# Altium PCB Sensor Board.PcbDoc
Units mil, origin at the board's own origin, x right, y up, seen from the top; angles counter-clockwise.
Board outline 4300 x 2700 mil, 2 copper layers (Top Layer, Bottom Layer), stack 12.8 mil thick; 17 components, 17 nets, 74 pads, 7 vias.
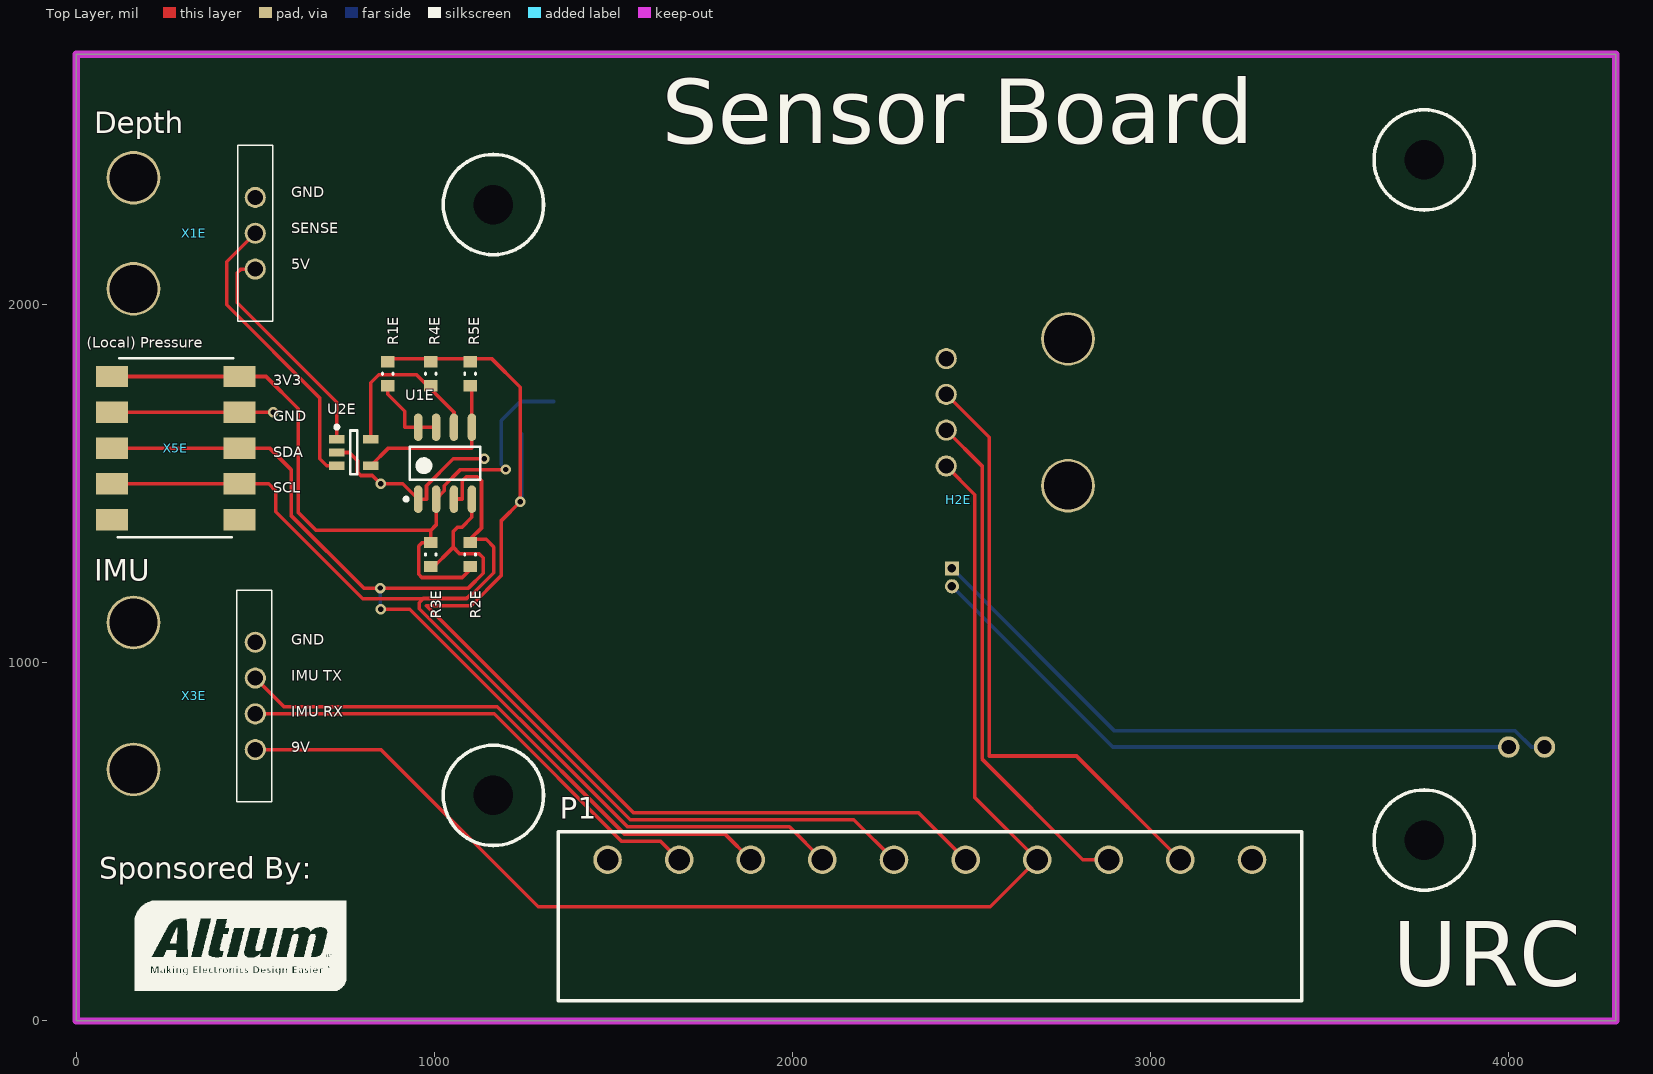
[diagram p0: Top Layer view]
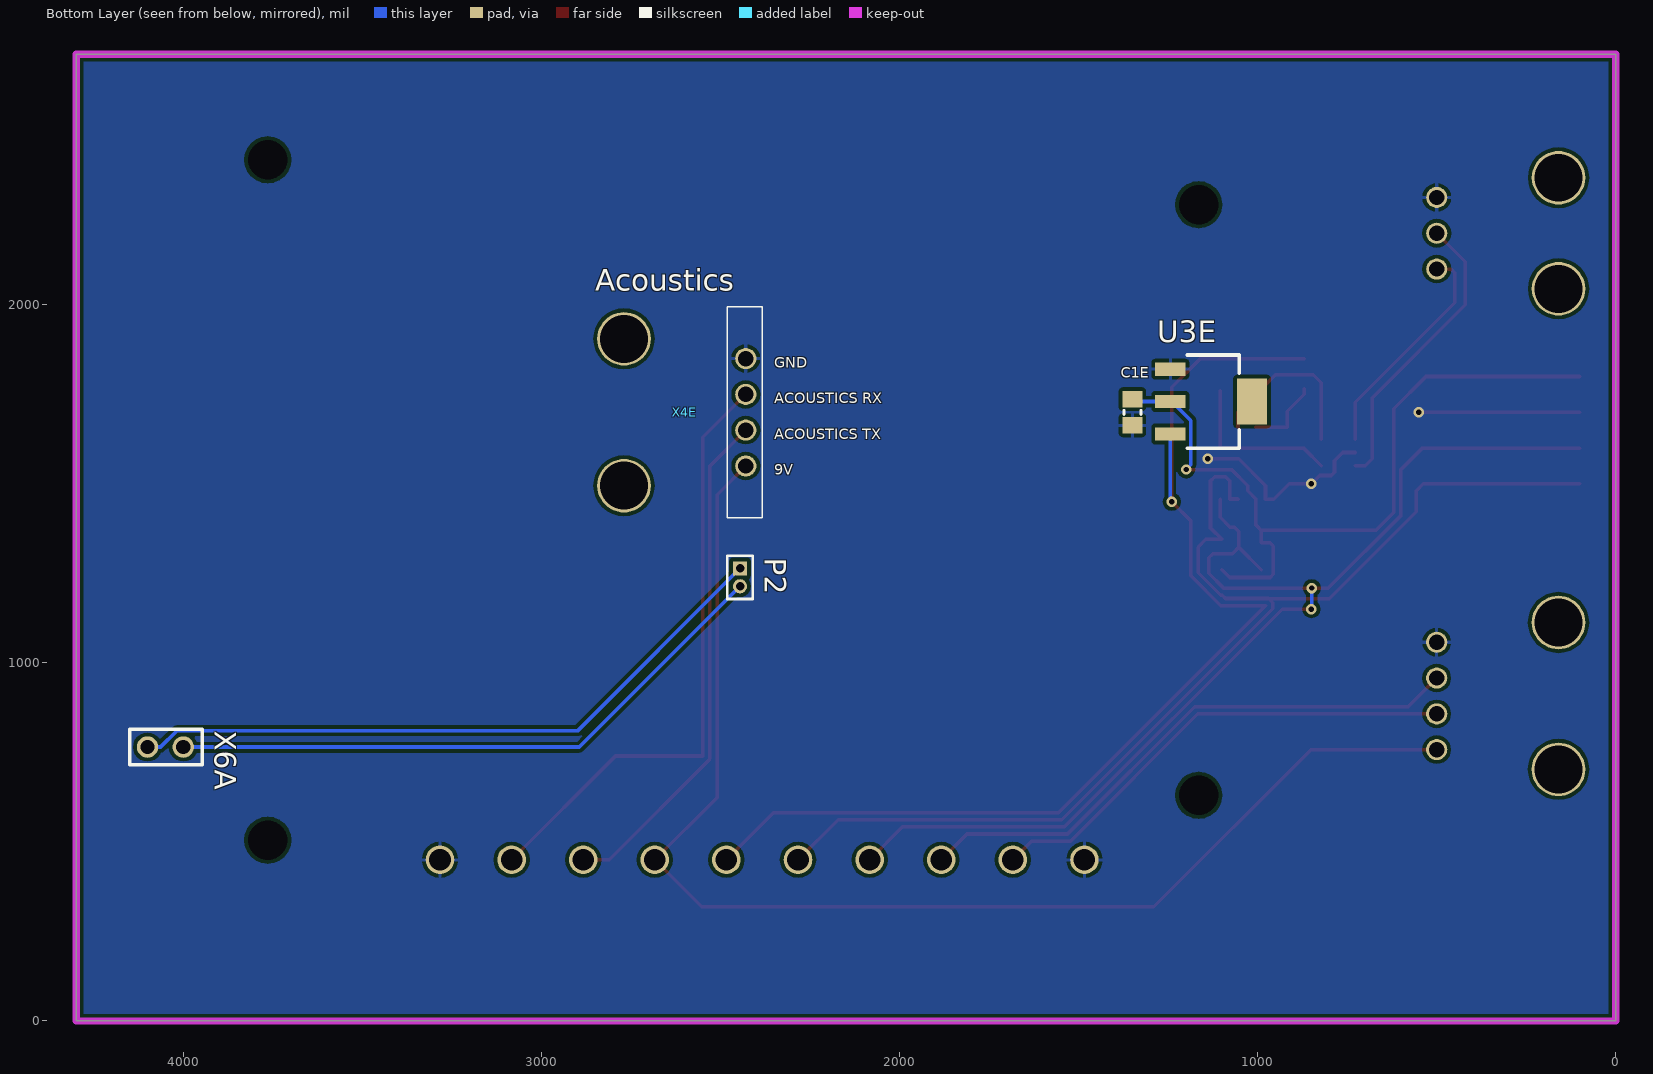
[diagram p1: Bottom Layer view, seen from below]
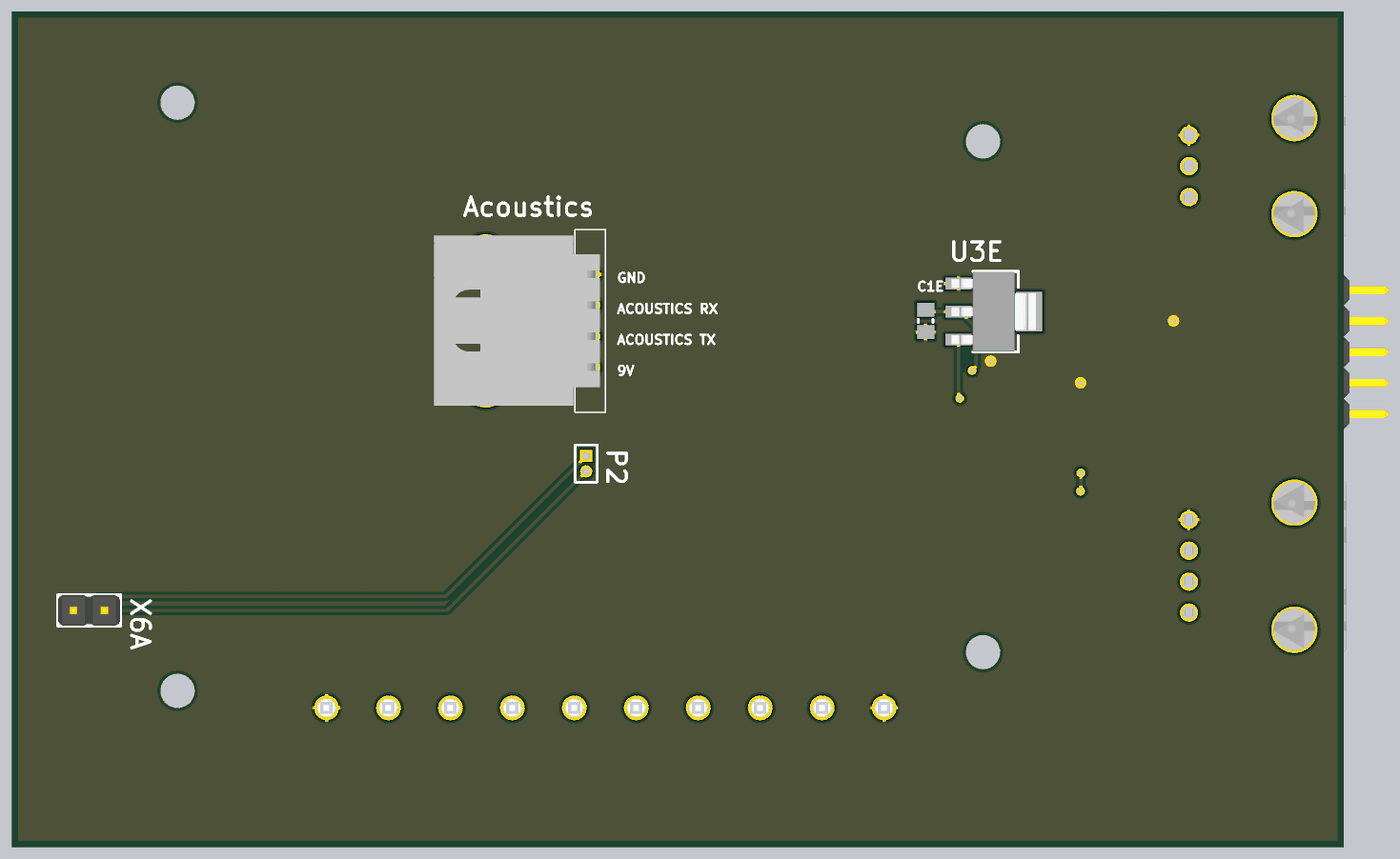
[diagram p2: 3D render of the assembled board from below, using the file's embedded part models]

## Layer stack, top to bottom
Top Solder: solder mask 0.4, Solder Resist, Dk 3.5
Top Layer: signal copper 1.4
Dielectric 1: core 10, FR-4, Dk 4.2
Bottom Layer: signal copper 1.4
Bottom Solder: solder mask 0.4, Solder Resist, Dk 3.5

## Board outline
4300,0 0,0 0,2600 0,2700 4300,2700

## Design rules (kind name [scope] priority, off if disabled: settings)
Clearance "Small pitch Harwin Connector" [InComponent('X2E')] p1: gap=10 ignorepadtopadclearanceinfootprint=FALSE except(0: Arc-Hole Track-Hole SMDPad-Hole THPad-Hole Via-Hole Fill-Hole Poly-Hole Region-Hole Text-Hole; 7: THPad-THPad)
Clearance [All] p2: gap=10 ignorepadtopadclearanceinfootprint=FALSE except(0: Arc-Hole Track-Hole SMDPad-Hole THPad-Hole Via-Hole Fill-Hole Poly-Hole Region-Hole Text-Hole; 7: SMDPad-SMDPad)
ComponentClearance "Ignore Beaglebone Holes" [InComponent('H2E') Or InComponent('H1E')] p1: gap=-1000 collisioncheckmode=3 verticalgap=-5000 showdistances=FALSE
ComponentClearance [All] p2: gap=10 collisioncheckmode=3 verticalgap=10 showdistances=FALSE
HoleSize [All] p1: absolutevalues=TRUE maxlimit=140 minlimit=15 maxpercent=80.000 minpercent=20.000
MinimumSolderMaskSliver [All] p1: minsoldermaskwidth=0
PolygonConnect "Direct Connect Gnd Vias" [(InNet('GND') AND IsVia)] p1: connectstyle=Direct reliefconductorwidth=10 reliefentries=4 polygonreliefangle="90 Angle" airgapwidth=10
PolygonConnect [All] p2: connectstyle=Relief reliefconductorwidth=10 reliefentries=4 polygonreliefangle="90 Angle" airgapwidth=10
RoomDefinition "Sensor Overview" [InComponentClass('Sensor Overview')] p1: confinementstyle=ConfineIn formatcopy=TRUE lockcomponents=FALSE outline 3840,2757.68 -250,2757.68 -250,-127.32 3840,-127.32
RoutingVias [All] p1: holewidth=28 width=50 viastyle="Through Hole" minholewidth=28 minwidth=50 maxholewidth=28 maxwidth=50
SilkToSolderMaskClearance [IsPad] p1: minsilkscreentomaskgap=0 clearancetoexposedcopper=FALSE
SolderMaskExpansion "Tent Vias" [IsVia] p1: expansion=-30
SolderMaskExpansion [All] p2: expansion=4
Width [All] p1: maxlimit=10 minlimit=10 preferedwidth=10
26 further rules are at their usual default settings.

## Components (designator, comment, footprint, x,y, rotation, side; value= is the part's Value field where it differs from the comment)
C1E ".1uF" C0805 1350,1700 r270 bottom value=10uF
H2E "BBB Hole Pattern" "BBB Hole Pattern" 4340,2530 r180 top
P1 "MSTBA 2,5/10-G-5,08" "MSTBA 2,5/10-G-5,08" 1484,450 r0 top
P2 "MHDR1X2" MHDR1X2 2446,1264 r270 bottom (schematic designator P?)
R1E "Resistor" R0603 870,1807.68 r90 top value=200K
R2E "Resistor" R0603 1100,1302.68 r270 top value=1K
R3E "Resistor" R0603 990,1302.68 r90 top value=1K
R4E "Resistor" R0603 990,1807.68 r90 top value=1K
R5E "Resistor" R0603 1100,1807.68 r90 top value=1K
U1E "PCA9306" PCA9306-SO8 1030,1557.68 r90 top
U2E "" MCP3221-SOT23-5 775,1587.68 r0 top
U3E "AP1117E33G-13" AP1117 1130,1730 r270 bottom
X1E "70555-0037" 70555-0037 500,2200 r90 top
X3E "70555-0003" 70555-0003 330,907.68 r90 top
X4E "70555-0003" 70555-0003 2600,1700 r90 bottom
X5E "Header" "SMD Female Header, 5147733-4 w/ header" 100,1800 r270 top
X6A "Header" "1x2 Header" 4051,765 r180 bottom (schematic designator X?)

## Footprints (in the part's own frame and the unit in brackets; to place one, negate y for a bottom-side part, rotate by r counter-clockwise, add the part's x,y. Pads: shape width x height; smd on the part's side, far side on the other; paste and mask are expansions set on the pad)
"1x2 Header" [mil]
  round 60 hole 40: 1(-50,0) 2(50,0)
  silkscreen extent -100,-50 102,50, body extent -100,-50 100,50, height 374
70555-0003 [mm] "Molex C-Grid SL 70555, 4 Pin"
  round 1.5 hole 1.09: 1(-3.81,-4.32) 2(-1.27,-4.32) 3(1.27,-4.32) 4(3.81,-4.32)
  round 3.8 hole 3.4: M1(-5.21,4.32) M2(5.21,4.32)
  silkscreen extent -7.5,-5.5 7.5,-3, body extent -6.96,-5.03 7.01,8.56, height 7.06
70555-0037 [mm] "Molex C-Grid SL 70555, 3 Pin"
  round 1.5 hole 1.09: 1(-2.54,0) 2(0,0) 3(2.54,0)
  round 3.8 hole 3.4: M1(-3.94,8.64) M2(3.94,8.64)
  silkscreen extent -6.23,-1.25 6.25,1.25, body extent -5.71,-0.76 5.71,12.83, height 7.06
AP1117 [mm] "SOT223-3L"
  rect 0.95x2.15 smd: GND(-2.3,-2.9) VIN(2.3,-2.9) VOUT(0,-2.9)
  rect 3.25x2.15 smd: VOUT(0,2.9)
  silkscreen extent -3.3,-1.7 3.3,2, body extent -3.25,-3.47 3.25,3.47, height 1.6
"BBB Hole Pattern" [mil]
  round 0 hole 110: 0(575,2025) 0(575,125) 0(3175,1900) 0(3175,250)
  silkscreen extent 435,-15 3315,2165
C0805 [mm] "Chip Capacitor, 2-Leads, Body 2.0x1.3mm, IPC Medium Density"
  rect 1.15x1.4 smd: 1(-0.925,0) 2(0.925,0)
  silkscreen extent -0.15,-0.6 0.15,0.6, body extent -1,-0.63 1,0.63, height 0.6
MCP3221-SOT23-5 [mm] "MCP3221 12 bit ADC, SOT23-5"
  rect 1.1x0.6 smd: AIN(-1.2,-0.95) SCL(1.2,0.95) SDA(1.2,-0.95) VDD(-1.2,0.95) VSS(-1.2,0)
  silkscreen extent -1.32,-1.55 0.25,1.92, body extent -0.87,-1.55 0.87,1.55, height 1.45
MHDR1X2 [mm] "Connector; Header; 2 Position"
  rect 1x1 hole 0.6: 1(0,0)
  round 1 hole 0.6: 2(1.27,0)
  silkscreen extent -0.9,-0.9 2.17,0.9
"MSTBA 2,5/10-G-5,08" [mm] "Header, Male, 10 Pin, 90deg"
  round 2.03 hole 1.53: 1(0,0) 2(5.08,0) 3(10.16,0) 4(15.24,0) 5(20.32,0) 6(25.4,0) 7(30.48,0) 8(35.56,0) 9(40.64,0) 10(45.72,0)
  silkscreen extent -3.5,-10 49.25,2, body extent -3.52,-10 49.27,2, height 8.6
PCA9306-SO8 [mm] "PCA9306, Bidirection level translator"
  oval 1.95x0.6 smd: EN(2.55,1.905) GND(-2.55,1.905) SCL1(-2.55,-0.635) SCL2(2.55,-0.635) SDA1(-2.55,-1.905) SDA2(2.55,-1.905) VREF1(-2.55,0.635) VREF2(2.55,0.635)
  silkscreen extent -2.67,-2.5 1.17,2.88, body extent -2,-2.5 2,2.5, height 1.75
R0603 [mm] "Chip Resistor, 2-Leads, Body 1.5x0.8mm, IPC Medium Density"
  rect 0.8x0.95 smd: 1(-0.85,0) 2(0.85,0)
  silkscreen extent -0.05,-0.38 0.05,0.38, body extent -0.77,-0.4 0.77,0.4, height 0.45
"SMD Female Header, 5147733-4 w/ header" [mm]
  rect 1.52x2.29 smd: 1(0,9.04) 1(0,0) 2(2.54,9.04) 2(2.54,0) 3(5.08,9.04) 3(5.08,0) 4(7.62,9.04) 4(7.62,0) 5(10.16,9.04) 5(10.16,0)
  silkscreen extent -1.3,0.4 11.4,8.6, body extent -1.27,-6.2 11.45,8.58, height 3.48

## Part data
C1E: library part Cap, "Unpolarized Capacitor", Capacitance="10 F", Capacitance Tolerance=10%, Ceramic Capacitor Case="0805 [2012 Metric]", Dielectric Characteristic=X7, Manufacturer 1="TAIYO YUDEN", Manufacturer Part Number=JMK212B7106KG-T, Supplier Part Number 1=84R9126, Voltage Rating=6.3, ComponentLink1Description=http://www.farnell.com/datasheets/1910934.pdf, ComponentLink1URL=http://www.farnell.com/datasheets/1910934.pdf, Description 1="TAIYO YUDEN - JMK212B7106KG-T - CERAMIC CAPACITOR, 10UF, 6.3V, X7R, 10%, 0805", ESR=<20ohm, Packaging="Cut Tape", Pricing 1="1=0.13, 10=0.12, 50=0.112, 100=0.105, 500=0.083, 1000=0.068 (USD)", Product Range="M Series", RoHS=YES, Stock 1=492, Supplier 1=Newark
P1: "Header, 10-Pin", Manufacturer 1="PHOENIX CONTACT", Manufacturer Part Number="MSTBA 2,5/10-G-5,08-LR", Supplier Part Number 1=88W5041, ComponentLink1Description=http://www.farnell.com/datasheets/1702208.pdf, ComponentLink1URL=http://www.farnell.com/datasheets/1702208.pdf, Description 1="PHOENIX CONTACT - MSTBA 2,5/10-G-5,08-LR - TERMINAL BLOCK, HEADER, 10POS, TH", Pricing 1="1=3.07, 100=2.89, 250=2.67, 500=2.55, 1000=2.27 (USD)", RoHS=YES, Stock 1=37, Supplier 1=Newark, URL=http://www.mouser.com/ProductDetail/Phoenix-Contact/1792708/?qs=sGAEpiMZZMsDddcp1dBDJI66tvLKBAoKnRJwuCPjeJk%3d
P2: "Header, 2-Pin", LatestRevisionDate=17-Jul-2002, LatestRevisionNote="Re-released for DXP Platform.", Publisher="Altium Limited"
R1E: library part "200K, 5%, 100mW, Yageo, R0603", Manufacturer 1=YAGEO, Manufacturer Part Number=RC0603JR-07200KL, Power Rating=100, Resistance=200, Resistance Tolerance=5%, Resistor Case Style="0603 [1608 Metric]", Supplier Part Number 1=68R0165, Voltage Rating=50, ComponentLink1Description=http://past.yageo.com/pdf/PYu-R_Packing_6.pdf, ComponentLink1URL=http://past.yageo.com/pdf/PYu-R_Packing_6.pdf, ComponentLink2Description=http://www.farnell.com/cad/1538908.zip, ComponentLink2URL=http://www.farnell.com/cad/1538908.zip, ComponentLink3Description=http://www.farnell.com/datasheets/1868787.pdf, ComponentLink3URL=http://www.farnell.com/datasheets/1868787.pdf, ComponentLink4Description=http://www.yageo.com/pdf/PYu-RC0603_51_RoHS_L_4.pdf, ComponentLink4URL=http://www.yageo.com/pdf/PYu-RC0603_51_RoHS_L_4.pdf, Description 1="YAGEO - RC0603JR-07200KL - RES, THICK FILM, 200K, 5%, 0.1W, 0603", MSL=-, No. of Pins=2, Packaging="Cut Tape", Pricing 1="1=0.07, 10=0.012, 25=0.008, 100=0.005, 250=0.004, 1000=0.002 (USD)", Product Range="RC Series", RoHS=YESX, Stock 1=7315, Supplier 1=Newark, Tolerance=5%
R2E R3E R4E R5E: library part "1k, 5%, 100mW, Yageo, R0603", Manufacturer 1=YAGEO, Manufacturer Part Number=RC0603JR-131KL, Power Rating=100, Resistance=1, Resistance Tolerance=5%, Resistor Case Style="0603 [1608 Metric]", Supplier Part Number 1=68R0220, Voltage Rating=50, Body Height=0.45, ComponentLink1Description=http://www.farnell.com/datasheets/1868787.pdf, ComponentLink1URL=http://www.farnell.com/datasheets/1868787.pdf, ComponentLink2Description=http://www.yageo.com/pdf/PYu-RC0603_51_RoHS_L_4.pdf, ComponentLink2URL=http://www.yageo.com/pdf/PYu-RC0603_51_RoHS_L_4.pdf, Description 1="YAGEO - RC0603JR-131KL - RES, THICK FILM, 1K, 5%, 0.1W, 0603", MSL=-, Packaging="Cut Tape", Pricing 1="1=0.06, 10=0.011, 25=0.008, 100=0.005, 250=0.003, 1000=0.002 (USD)", Product Range="RC Series", RoHS=YESX, Stock 1=36430, Supplier 1=Newark, Tolerance=5%
U1E: "PCA9306, Bidirectional level translator", Interface Case Style=SOIC, Manufacturer=NXP, Manufacturer Part Number=PCA9306D,118, Operating Temperature Min="-40 C", Supplier Part Number 1=70R6428, Supply Voltage Max=3.6, Supply Voltage Min=1, ComponentLink1Description=http://www.nxp.com/packings/SOT96-1_118.html, ComponentLink1URL=http://www.nxp.com/packings/SOT96-1_118.html, ComponentLink2Description=http://www.farnell.com/cad/1549203.zip, ComponentLink2URL=http://www.farnell.com/cad/1549203.zip, ComponentLink3Description=http://www.farnell.com/datasheets/1805226.pdf, ComponentLink3URL=http://www.farnell.com/datasheets/1805226.pdf, IC Interface Type=I2, Interface Applications=-, No. of Pins=8, Packaging="Cut Tape", Pricing 1="1=0.346, 10=0.346, 25=0.346, 100=0.346, 250=0.317, 500=0.317, 1000=0.293, 2500=0.272 (USD)", RoHS=YES, Stock 1=3293, Supplier 1=Newark
U2E: library part MCP3221, "MCP3221, 12 bit ADC, I2C", ADC / DAC Case Style=SOT-23, Manufacturer=MICROCHIP, Manufacturer Part Number=MCP3221A5T-I/OT, Supplier Part Number 1=92C2410, Supply Voltage Max=5.5, Supply Voltage Min=2.7, Supply Voltage Type=Single, ComponentLink1Description=http://www.farnell.com/cad/1545531.zip, ComponentLink1URL=http://www.farnell.com/cad/1545531.zip, ComponentLink2Description=http://www.farnell.com/datasheets/12186.pdf, ComponentLink2URL=http://www.farnell.com/datasheets/12186.pdf, No. of Pins=5, Pricing 1="1=1.44, 26=1.2, 100=1.09 (USD)", Resolution (Bits)=12, RoHS=YES, Sampling Rate=22.3, Stock 1=2165, Supplier 1=Newark
U3E: "3.3V 1A Linear Regulator", Supplier Part Number 1=79R5845, Supplier 1=Newark
X1E: "Molex, C-Grid SL 70555, 3 Pin", Manufacturer=MOLEX, Supplier Part Number 1=59H2958, ComponentLink1Description=http://www.farnell.com/cad/1737917.pdf, ComponentLink1URL=http://www.farnell.com/cad/1737917.pdf, ComponentLink2Description=http://www.farnell.com/datasheets/1947503.pdf, ComponentLink2URL=http://www.farnell.com/datasheets/1947503.pdf, ComponentLink3Description=http://www.farnell.com/cad/1980011.zip, ComponentLink3URL=http://www.farnell.com/cad/1980011.zip, Contact Plating="Gold Plated Contacts", Contact Termination Type="Through Hole", Gender=Header, No. of Contacts=3, No. of Rows=1, Pitch Spacing=2.54, Pricing 1="1=0.679, 10=0.622, 100=0.575, 500=0.575, 1000=0.534, 2000=0.495, 5000=0.484, 10000=0.47 (USD)", Product Range="SL 70555 Series", RoHS=YES, Stock 1=1580, Supplier 1=Newark
X3E X4E: "Molex, C-Grid SL 70555, 4 Pin", Manufacturer=MOLEX, Supplier Part Number 1=56R5848, ComponentLink1Description=http://www.molex.com/pdm_docs/sd/705550042_sd.pdf, ComponentLink1URL=http://www.molex.com/pdm_docs/sd/705550042_sd.pdf, ComponentLink2Description=http://www.farnell.com/cad/1737917.pdf, ComponentLink2URL=http://www.farnell.com/cad/1737917.pdf, ComponentLink3Description=http://www.farnell.com/cad/1981959.zip, ComponentLink3URL=http://www.farnell.com/cad/1981959.zip, Contact Plating="Tin Plated Contacts", Contact Termination Type="Through Hole", Gender=Header, No. of Contacts=4, No. of Rows=1, Pitch Spacing=2.54, Pricing 1="1=0.77, 10=0.706, 100=0.651, 500=0.651, 1000=0.605, 2000=0.549, 5000=0.529 (USD)", Product Range="SL 70555 Series", RoHS=YES, Stock 1=324, Supplier 1=Newark
X5E: library part "1x5 Header, Female, TE Connectivity", "1x5 Header", Current Rating="2 A", Manufacturer 1="TE Connectivity", Manufacturer Part Number=5147733-4, Operating Temperature Range="- 55 C to + 125 C", Supplier Part Number 1=571-5147733-4, Brand="TE Connectivity / AMP", Category="Headers & Wire Housings", ComponentLink1Description=http://www.mouser.com/ds/2/418/NG_CD_5147733_A6-627319.pdf, ComponentLink1URL=http://www.mouser.com/ds/2/418/NG_CD_5147733_A6-627319.pdf, Contact Material="Phosphor Bronze", Contact Plating=Tin, Description 1="Headers & Wire Housings 05 MODII HORZ SR SFMNT SN", Housing Material="Polycyclohexylenedimethylene Terephthalate (PCT)", Minimum Order Quantity=1, Mounting Angle=Right, Mounting Style=-, Number of Positions="5 Position", Number of Rows="1 Row", Packaging=Reel, Pitch="2.54 mm", Pricing 1="1=0.656, 25=0.621, 50=0.570, 100=0.538, 500=0.512, 1000=0.512 (AUD)", Product=Headers, Reeling=True, RoHS="RoHS Compliant", RoHS - Mouser=Y, Series="AMPMODU MOD II", Standard Pack Qty=1000, Stock 1=4960, Supplier 1=Mouser, Termination Style=SMD, Tradename=AMPMODU, Type="Socket Assembly"
X6A: library part "1x2 Header", "1x2 Header"

## Via types
v1: diameter 29, hole 15, Top Layer to Bottom Layer, 7 vias

## Nets (pads, with @x,y where several pads share a name; then routed paths per layer and width w, separated by ;. In a path a pad name is that pad's centre, name@x,y a point inside that pad or via, vN(x,y) a via of type N, cw(c..) or ccw(c..) an arc to the next point about the centre after c; other vN are vias at no path point)
3V3: C1E.1 R2E.2 R3E.2 U1E.VREF1 U3E.VOUT X5E.1 | length 2187.4
  Top Layer w10: X5E.1@100,1800 455.91,1800 530,1800 620,1710 620,1420 670,1370 990,1370 ; R2E.2@1100,1260.35 1078.11,1238.46 965.09,1238.46 956.3,1247.25 956.3,1326.3 966.14,1336.14 R3E.2 990,1370 ; v1(1200,1540) 1073.23,1540 1028.19,1494.96 1028.19,1480.47 U1E.VREF1 1005,1385 990,1370
  Bottom Layer w10: v1(1200,1540) 1186.85,1553.15 1186.85,1676.85 1240,1730 1244.17,1730 C1E.1@1333.58,1730
5V: P1.6 R1E.2 R4E.2 R5E.2 U3E.VIN | length 3185.8
  Top Layer w10: R1E.2@870,1850 1160,1850 1240,1770 v1(1240,1450) 1186.5,1396.5 1186.5,1243.48 1102.92,1159.9 978.18,1159.9 1556.08,582 2352,582 P1.6
  Bottom Layer w10: v1(1240,1450) 1244.17,1454.17 U3E.VIN
5V_DEPTH: U2E.VDD X1E.1 | length 634.1
  Top Layer w10: X1E.1 460,2100 450,2090 450,2005.51 727.76,1727.76 U2E.VDD
9V: P1.7 X3E.1 X4E.1 | length 3625.1
  Top Layer w10: X3E.1 851.32,757.68 1290,319 2553,319 P1.7 2510,624 2510,1469.92 X4E.1
ACOUSTICS_RX: P1.9 X4E.3 | length 1713.9
  Top Layer w10: X4E.3 2550,1629.92 2550,740 2794,740 P1.9
ACOUSTICS_TX: P1.8 X4E.2 | length 1430.4
  Top Layer w10: X4E.2 2530,1549.92 2530,731.72 2811.72,450 P1.8
GND: C1E.2 P1.1 P1.10 U1E.GND U2E.VSS U3E.GND X1E.3 X3E.4 X4E.4 X5E.2 | length 1003.9
  Top Layer w10: X5E.2@100,1700 455.91,1700 v1(550,1700) ; U2E.VSS 762.32,1587.68 785.59,1564.41 785.59,1532.25 794.38,1523.46 826.54,1523.46 v1(850,1500) 912.28,1500 U1E.GND 978.19,1457.28 978.19,1494.96 1053.23,1570 v1(1140,1570)
IMU_RX: P1.2 X3E.2 | length 1352.8
  Top Layer w10: X3E.2 1167.27,857.68 1522.94,502 1632,502 P1.2
IMU_TX: P1.3 X3E.3 | length 1594.2
  Top Layer w10: X3E.3 580.08,877.68 1175.55,877.68 1531.23,522 1812,522 P1.3
NetP?_1: P2.1 X6A.1 | length 1861.7
  Bottom Layer w10: P2.1 2900,810 4019.64,810 4064.64,765 X6A.1
NetP?_2: P2.2 X6A.2 | length 1741
  Bottom Layer w10: P2.2 2895,765 X6A.2
NetR1E_1: R1E.1 U1E.EN U1E.VREF2 | length 214.6
  Top Layer w10: R1E.1@870,1765.35 870,1750 917.28,1702.72 917.28,1658.07 U1E.EN U1E.VREF2
NetR4E_1: R4E.1 U1E.SCL2 U2E.SCL | length 484.9
  Top Layer w10: U2E.SCL 822.24,1782.12 845.09,1804.96 950.39,1804.96 1055,1700.35 U1E.SCL2
NetR5E_1: R5E.1 U1E.SDA2 U2E.SDA | length 463.7
  Top Layer w10: U2E.SDA 871.97,1600 1105,1600 U1E.SDA2 R5E.1@1105,1760.35
NetU2E_AIN: U2E.AIN X1E.2 | length 826.8
  Top Layer w10: X1E.2 420,2120 420,2000 680,1740 680,1570 699.72,1550.28 U2E.AIN
SCL: P1.5 R2E.1 U1E.SCL1 X5E.4 | length 3372.7
  Top Layer w10: X5E.4@100,1500 455.91,1500 537.43,1500 557.43,1480 557.43,1422.47 800.4,1179.5 969.5,1179.5 ; U1E.SCL1 1055.39,1457.68 1078.19,1457.68 1078.19,1508.19 1090,1520 1120,1520 1131.81,1508.19 1131.81,1376.81 1100,1345 1145,1345 1166.5,1323.5 1166.5,1251.76 1103.36,1188.62 1098.83,1188.62 1090.1,1179.9 969.9,1179.9 969.5,1179.5 ; P1.5 2172,562 1547.8,562 958.18,1151.61 958.18,1168.18 969.5,1179.5
SDA: P1.4 R3E.1 U1E.SDA1 X5E.3 | length 3270.7
  Top Layer w10: X5E.3@100,1600 455.91,1600 540,1600 600,1540 600,1411.72 802.72,1209 v1(849,1209) 1095.45,1209 1136.39,1249.94 1136.39,1293.4 1124.4,1305.39 1070.16,1305.39 1053.5,1322.05 1053.5,1323.86 ; v1@846.5,1146.5 v1(850,1150) 931.51,1150 1539.51,542 1992,542 P1.4 ; R3E.1@990,1260.35 1053.5,1323.86 ; U1E.SDA1 1105,1406.93 1076.35,1378.28 1063.84,1378.28 1053.5,1367.95 1053.5,1323.86
  Bottom Layer w10: v1(849,1209) 849,1151 v1(850,1150)
pads on no net: H2E.0 X1E.M1 X1E.M2 X3E.M1 X3E.M2 X4E.M1 X4E.M2 X5E.5

## Polygon pours and split planes (outlines as drawn)
GND on Bottom Layer "Bottom Layer-No Net" (solid, pour order 0): 0,0 4300,0 4300,2700 0,2700

## Keep-outs
Keep-Out Layer:
  the board outline again, w20

## Silkscreen, mask and mechanical layers (free items; w line width, h text height)
Top Overlay:
  drawing of 1840 lines, arcs and shapes, not listed
  text "4.30 x 2.70 inch" at 2100,2850 h180
  text "Depth" at 50,2480 h60
  text "Sensor Board" at 1635,2451 h180
  text "GND" at 600,2300 h30
  text "SENSE" at 600,2200 h30
  text "5V" at 600,2100 h30
  text "(Local) Pressure" at 30,1880 h30
  text "3V3" at 550,1775 h30
  text "GND" at 550,1675 h30
  text "SDA" at 550,1575 h30
  text "SCL" at 550,1475 h30
  text "IMU" at 50,1230 h60
  text "GND" at 600,1050 h30
  text "IMU TX" at 600,950 h30
  text "IMU RX" at 600,850 h30
  text "9V" at 600,750 h30
  text "Sponsored By:" at 64,397 h60
  text "URC" at 3677,98 h180
Bottom Overlay:
  text "Acoustics" at 2850,2040 h60
  text "GND" at 2350,1825 h30
  text "ACOUSTICS RX" at 2350,1725 h30
  text "ACOUSTICS TX" at 2350,1625 h30
  text "9V" at 2350,1525 h30